# Allegro board LAY_90818_C.brd (continued)
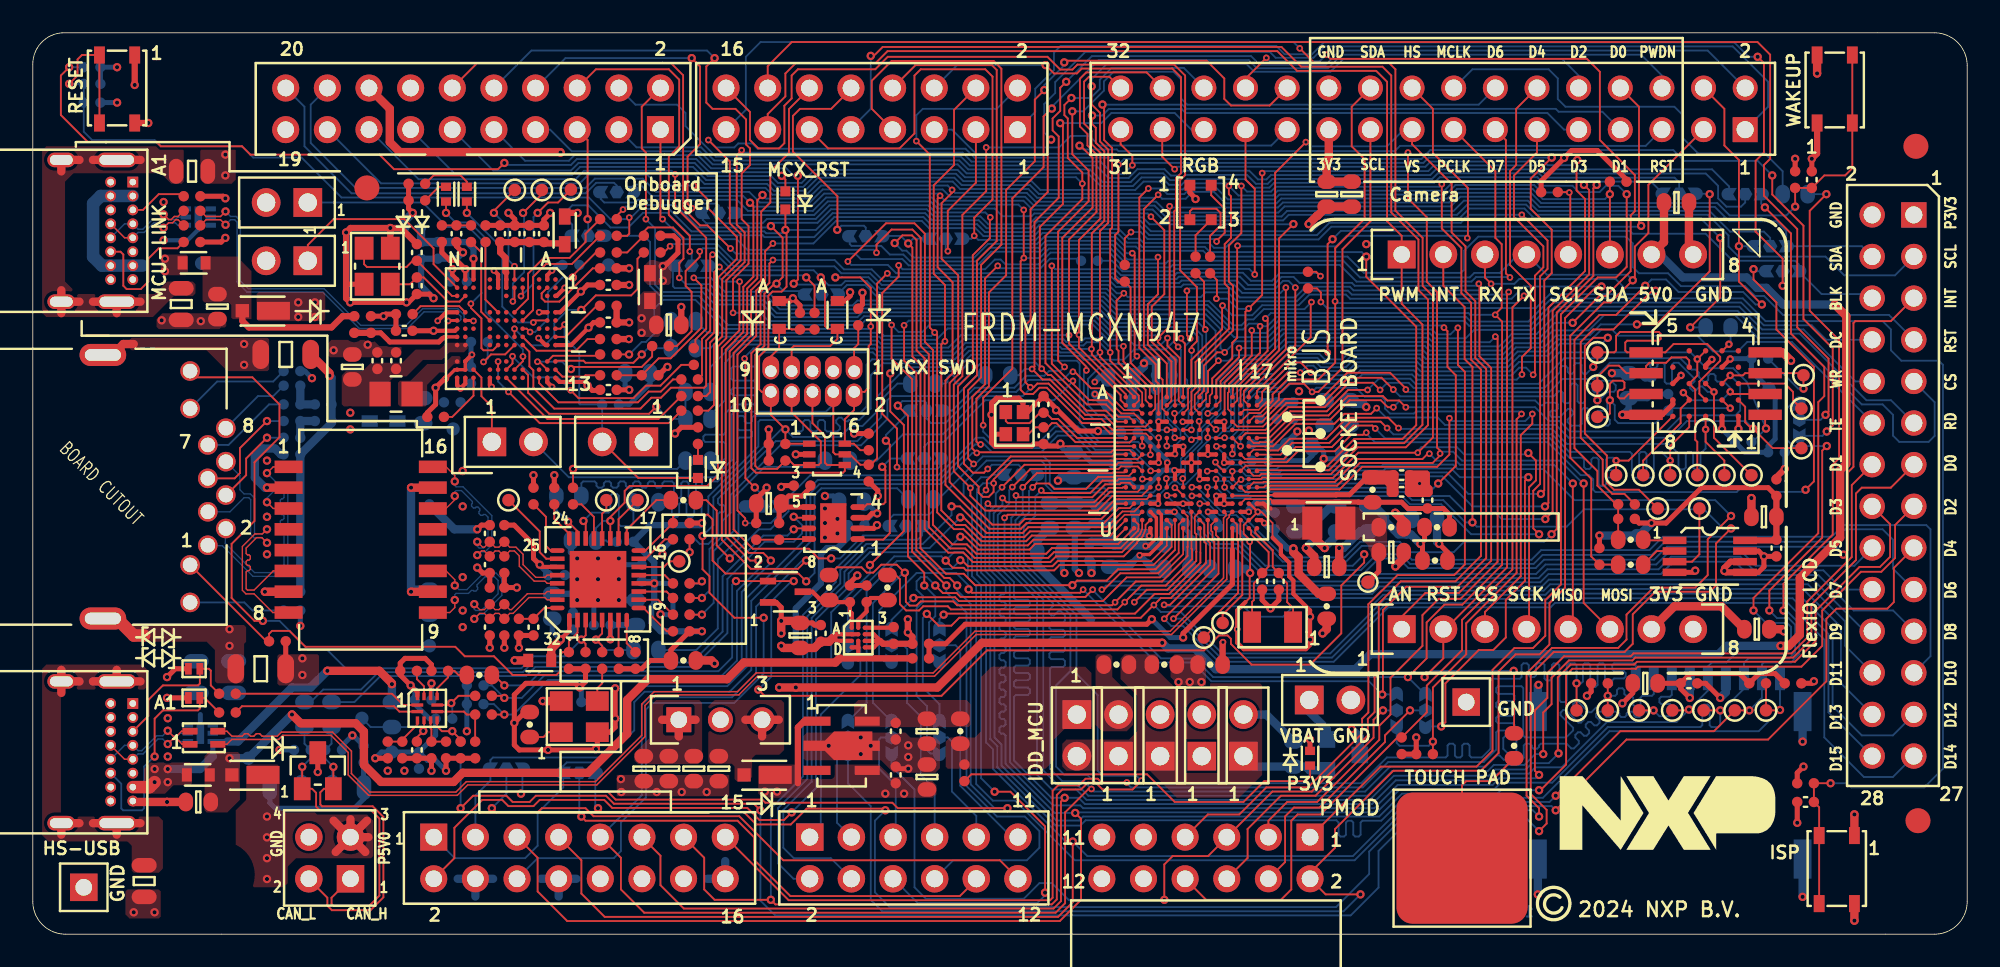
[diagram p0: board, top side]
## Routing (per net, layer and track width the routed paths; a pad name or vN(x,y) marks a point on that pad's centre or on a via; arc(x,y) is an arc through that point) (continued)
P5V0: length 138.7
  TOP w0.254: U3.B2 U3.B1 49.03,18.3 48.83,18.1 49.03,17.9 U3.C1
  TOP w0.381: U2.1 47.05,13 46.67,12.62 46.67,9.21
  TOP w0.508: 18.48,5.02 J10.3 ; J10.3 19.35,5.92 18.35,6.93 ; J10.3 20.28,5.02 ; J10.3 19.38,7.01 ; J10.3 20.38,6.93 ; J10.3 20.47,5.92 ; v2(106.62,17.59) 107.12,17.59 107.79,18.26 107.79,21.73 110.25,24.19 110.25,28.32 110.62,28.7 110.62,37.72 v2(109.92,38.42) ; v2(45.66,17.59) 45.78,17.47 C37.1 47.69,17.47 C38.1 48.58,17.85 48.83,18.1 ; v2(45.53,15.05) v2(46.54,15.05) 55.18,15.05 57.9,17.78 v2(68.9,17.78) ; J5.7 99.5,42.23 C71.1
  POWER w0.508: 19.38,4.83 J10.3 ; J10.3 19.38,7.01 ; J10.3 18.29,5.92 ; J10.3 20.47,5.92 ; J3.10 34.62,4.46 ; J3.10 35.7,3.38 ; J3.10 33.54,3.38 ; J3.10 34.62,2.3
  BOTTOM w0.381: 46.54,17.72 46.54,19.88 48.08,21.41 48.08,23.19 48.45,23.56 49.08,23.56 49.72,24.2 R199.1
  BOTTOM w0.508: v2(106.62,17.59) 103.34,17.59 102.83,17.09 81.6,17.09 80.68,16.17 72.16,16.17 70.89,17.44 69.24,17.44 v2(68.9,17.78) ; v2(109.92,38.42) 106.77,38.42 105.75,39.44 105.18,39.44 104.54,40.07 100.65,40.07 99.25,41.47 J5.7
  vias: v2(14.29,7.18) v2(14.29,5.91) v2(14.29,4.64) v2(14.29,3.37) v2(16.19,38.55) v2(16.19,37.66) v2(17.21,38.55) v2(17.21,37.66) v2(44.66,8.7) v2(45.4,8.7) v2(52.01,8.58) v2(53.15,8.58)
P5V0_MCU_LINK_USB: length 9.1
  BOTTOM w0.762: 6.68,40.79 J17.A9 J17.B4 4.22,40.79 3.68,41.33 3.68,44.58 4.14,45.04 J17.B9 J17.A4
  vias: v2(8.06,41.22) v2(8.06,40.45)
P5V_HDR_IN: length 3
  TOP w0.508: J15.3 45.5,13.09 ; J15.3 43.47,13.09 ; J15.3 44.49,12.07
P5V_MCU_LINK_USB: length 7.9
  TOP w0.381: R106.1 18.91,37.71 18.22,37.02 13.18,37.02 12.78,37.42 D3.A
P5V_USB_HS: length 51.4
  TOP w0.254: U3.C2 U3.D2 ; U3.D2 U3.D1 ; U3.D2 50.35,16.83
  TOP w0.381: 53.66,16.83 49.21,16.83
  TOP w0.508: v2(15.81,13.4) 16.34,12.87 19.69,12.87 20.2,12.36 20.2,10.34 21.24,9.29 25.67,9.29 26.22,9.85 33.87,9.85 36.26,12.23 36.26,14.29 37.53,15.56 42.35,15.56 43.37,16.58 48.96,16.58 49.21,16.83
  BOTTOM w0.508: v2(12,10.74) TP34.1 v2(15.81,13.4)
VDD_ANA: length 72.1
  TOP w0.203: U1.R4 68.54,25.4 68.54,24.17 68.06,23.68 v1(67.88,23.68)
  TOP w0.508: v2(32.19,47.69) 32.17,47.72 22.39,47.72 21.78,48.33 21.78,50.36 J2.16
  POWER w0.508: v2(32.19,47.69) 34.86,45.03 34.86,39.56 35.9,38.52 37.68,38.52 38.92,37.28 49.59,37.28 51.37,35.5 53.28,35.5 54.29,34.48 57.09,34.48 67.88,23.69 v1(67.88,23.68)
  BOTTOM w0.508: C20.1 69.02,24.83 C69.1 68.86,23.68 v1(67.88,23.68) 67.85,23.72 65.95,23.72 R171.1 64.58,23.94 L1.2
VDD_BAT: length 7.1
  TOP w0.254: v1(75.12,25.09) 74.94,25.27 U1.T17
  TOP w0.508: v2(76.9,23.54) 76.9,23.31 77.21,22.99 77.21,22 78.45,20.77 R15.2
  BOTTOM w0.381: v1(75.12,25.09) 75.5,24.71 C31.1 75.75,24.32 76.54,23.54 v2(76.9,23.54)
VDD_CORE: length 10.1
  TOP w0.254: U1.K10 v1(71.17,27.77) 71.18,27.77 U1.L11
  TOP w0.508: v2(83.11,25.71) 83.63,25.19 R18.2
  BOTTOM w0.305: TP33.1 79.55,29.01 v2(78.75,29.01) 78.75,29.43 78.44,29.74 C21.1 78.04,29.2 77.74,28.9 C22.1 C23.1
  BOTTOM w0.508: R19.2 83.48,25.34 v2(83.11,25.71)
VDD_CORE_SYS: length 10.2
  TOP w0.305: R20.1 84.77,23.69 v2(84.64,23.82) 84.9,24.07 R22.1
  BOTTOM w0.508: R14.1 81.85,26.1 82.49,25.47 82.49,25.21 83.3,24.4 83.79,24.4 83.79,24.39 84.07,24.39 v2(84.64,23.82) ; R16.2 75.25,13.4 J28.2
VDD_DCDC: length 7.1
  TOP w0.254: U1.R15 v1(74.17,25.77)
  TOP w0.508: v2(79.69,23.56) C28.1
  BOTTOM w0.381: R194.1 76.77,26.36 74.61,26.36 74.17,25.92 v1(74.17,25.77)
  BOTTOM w0.508: v2(79.69,23.56) 79.94,23.56 80.96,24.58 R14.2
VDD_IO_USB: length 9.4
  BOTTOM w0.508: 64.56,19.22 61.28,22.5 R10.1 61.28,24.02 R8.1 ; R11.1 65.29,32.45 v1(64.79,32.95) ; v2(81.34,32.16) 81.15,32.36 80.55,32.36 R9.1
  vias: v2(69.89,15.39) v2(70.58,15.39) v2(71.29,15.39)
VDD_LDO_CORE_IN: length 6
  TOP w0.254: v1(69.21,28.77) 69.21,28.7 69.17,28.67 U1.K6
  TOP w0.305: R20.2 86.3,23.31 v2(85.79,23.82)
  BOTTOM w0.305: C30.1 67.48,30.62 69.21,28.9 v1(69.21,28.77)
  BOTTOM w0.508: v2(85.79,23.82) 85.66,23.94 R19.1
VDD_LDO_SYS_IN: length 14
  TOP w0.102: U1.P15 73.95,26.55 75.5,26.55
  TOP w0.112: 75.68,26.37 75.5,26.55
  TOP w0.305: 75.68,26.37 80.86,26.37 80.87,26.36 R23.1 83.5,26.36 83.88,25.98 C32.1 86.04,25.98 86.42,25.59 R22.2
VDD_P2: length 10.3
  TOP w0.254: U1.L7 69.67,28.28 v1(69.64,28.31) 69.68,28.31 69.72,28.27 U1.K8
  BOTTOM w0.305: C11.1 67.21,27.28 67.92,27.28 68.94,28.31 v1(69.64,28.31) ; R10.2 62.8,22.17 v2(62.93,22.04)
  BOTTOM w0.508: v2(62.53,27.67) 62.74,27.88 C10.1 63.56,27.83 65.77,27.83 C12.1 C11.1
VDD_P3: length 1.5
  TOP w0.254: U1.H10 v1(71.68,29.27) ; v1(71.68,29.27) U1.H12 ; v1(71.68,29.27) 71.67,29.28 U1.G11
  vias: v2(77.84,30.73)
VDD_P4: length 7.8
  TOP w0.254: U1.N5 68.67,26.3 v1(68.64,26.27) U1.P4
  BOTTOM w0.305: v1(68.64,26.27) 68.56,26.36 66.1,26.36 C18.1
  BOTTOM w0.508: C18.1 C19.1 64.63,26.31 C17.1 R8.2
VDD_SYS: length 9
  TOP w0.102: U1.N14 73.19,26.75 75.39,26.75 75.44,26.8
  TOP w0.112: 75.75,26.8 75.44,26.8
  TOP w0.305: 75.75,26.8 79.5,26.8 79.52,26.82 80.32,26.82 81.38,27.88 R23.2
ADC0_A0/ARD_A0: length 43.5
  TOP w0.102: 66.19,25.52 66.47,25.79 67.2,25.79 U1.P3
  TOP w0.112: 66.19,25.52 65.51,24.83 60.73,24.83 60.38,24.49 58.18,24.49 56.56,26.1 v2(56.04,26.1)
  BOTTOM w0.112: v2(56.04,26.1) 56.04,25.57 54.29,23.82 50.85,23.82 49.26,22.22 49.26,21.4 47.25,19.39 47.25,9.48 45.46,7.7 45.46,4.32 46.4,3.38 J4.2
ADC0_B0/ARD_A1: length 44
  TOP w0.102: U1.R3 67.5,25.59 66.61,25.59 66.2,25.19
  TOP w0.112: 66.2,25.19 65.59,24.58 60.83,24.58 60.49,24.23 57.98,24.23 56.78,25.43 v2(56.58,25.43)
  BOTTOM w0.112: J4.4 48.68,4.64 46.42,4.64 45.78,5.27 45.78,7.58 47.51,9.31 47.51,19.29 49.51,21.3 49.51,22.12 50.96,23.56 54.71,23.56 v2(56.58,25.43)
ADC1_B0/MC_BEMF_A: length 56.2
  TOP w0.102: U1.T3 67.67,24.74 67.54,24.4 66.44,23.31
  TOP w0.112: v1(51.47,41.58) 51.47,42.07 52.39,42.99 53.66,42.99 54.16,42.49 54.16,35.88 54.66,35.39 54.66,24.85 55.97,23.54 56.87,23.54 57.45,22.96 61.94,22.96 62.29,23.31 66.44,23.31 ; v1(38.42,43.63) 38.29,43.76 J2.1
  BOTTOM w0.112: v1(51.47,41.58) 51.29,41.76 43.59,41.76 42.94,42.4 39.64,42.4 v1(38.42,43.63)
ANA_4/ADC1_A0: length 103
  TOP w0.102: 66.36,23.56 67.4,24.61 67.45,24.72 67.45,25 U1.T2
  TOP w0.112: v1(49.72,41.05) 52.05,43.37 53.78,43.37 54.42,42.74 54.42,36.14 54.91,35.64 54.91,24.97 56.1,23.79 56.98,23.79 57.55,23.22 61.82,23.22 62.16,23.56 66.36,23.56 ; J6.1 83.5,19.37 84.95,20.82 86.99,20.82 88.96,22.79 88.96,34.55 88.25,35.26 88.25,39.65 v1(88.21,39.68)
  BOTTOM w0.112: v1(88.21,39.68) 88.09,39.56 80.64,39.56 80.46,39.74 77.27,39.74 76.91,40.1 76.17,40.1 75.68,39.61 74.14,39.61 73.63,40.12 69.91,40.12 69.76,39.97 66.27,39.97 65.91,40.33 52.66,40.33 52.16,40.83 49.93,40.83 v1(49.72,41.05)
ANA_6/ADC0_A3: length 61.1
  TOP w0.102: 66.39,23.99 U1.U2
  TOP w0.112: J3.2 25.72,4.64 25.72,6.49 27.42,8.2 28.64,8.2 29.02,7.81 30.54,7.81 30.92,8.2 34.86,8.2 35.35,7.71 43.59,7.71 44.32,6.97 45.83,6.97 v2(46.29,7.43) ; 66.39,23.99 66.22,23.82 61.15,23.82 60.8,23.47 57.66,23.47 56.88,24.25 v2(56.58,24.25)
  BOTTOM w0.112: v2(46.29,7.43) 47.77,8.92 47.77,19.2 49.76,21.19 49.76,22.01 51.06,23.31 55.64,23.31 v2(56.58,24.25)
CAN_H: length 21.3
  TOP w0.112: J10.1 18.22,2.23 18.22,1.85 18.35,1.72 20.51,1.72 21.14,2.35 21.14,7.05 20.64,7.56 17.51,7.56 17.28,7.79 17.28,8.63 17.04,8.87 D9.1 v2(16.43,10.22)
  BOTTOM w0.112: R100.2 16.57,11.62 C66.1 16.95,10.74 v2(16.43,10.22) 16.39,10.18 R98.1
CAN_L: length 22.1
  TOP w0.112: J10.2 16.84,3.36 17.97,2.23 17.97,1.74 18.24,1.46 20.6,1.46 21.39,2.25 21.39,7.15 20.74,7.8 17.65,7.8 17.54,7.92 17.54,8.65 17.76,8.87 D9.2 v2(18.33,10.21)
  BOTTOM w0.112: R102.2 18.27,10.15 v2(18.33,10.21) 17.84,10.71 17.84,11.24 18.22,11.62 R101.2
CANH: length 37.1
  TOP w0.112: v2(46.42,24.71) 46.47,24.76 U10.7
  BOTTOM w0.112: R100.1 16.95,14.16 17.72,14.93 20.02,14.93 21.08,15.99 29.9,15.99 30.49,16.58 40.19,16.58 42.08,18.46 42.08,21.84 44.57,24.32 46.04,24.32 v2(46.42,24.71)
CANL: length 37.1
  TOP w0.112: v2(46.42,25.47) 46.47,25.41 U10.6
  BOTTOM w0.112: v2(46.42,25.47) 46.93,24.96 46.93,24.45 46.42,23.94 44.64,23.94 42.37,21.68 42.37,18.37 40.31,16.31 30.66,16.31 30.09,15.75 21.2,15.75 19.62,14.16 R101.1
DBGIF_VREF: length 6.1
  TOP w0.254: U11.L1 v2(26.88,41.22)
  BOTTOM w0.381: 25.84,42.23 26.48,42.23 26.88,41.83 v2(26.88,41.22)
  BOTTOM w0.508: R204.2 C106.1 R205.1 25.84,42.23
DCDC_LX: length 4.1
  TOP w0.254: U1.P17 75.08,26.27 75.37,25.98 75.5,25.98
  TOP w0.508: v2(78.8,23.56) 78.05,24.32 L2.1
  BOTTOM w0.508: v2(78.8,23.56) 78.8,23.61 79.56,24.37 R17.1
DCDC_VDD_CORE: length 2.1
  TOP w0.305: C27.1 82.1,22.14 TP32.1
ENET_CON_NC4: length 5.6
  TOP w0.112: J16.4 11.8,26.79 13.02,28.01 13.02,29.02 v2(14.29,30.29)
  BOTTOM w0.112: R73.1 v2(14.29,30.29)
ENET_CON_NC5: length 7
  TOP w0.112: v2(14.29,31.31) 12.64,29.66 12.64,28.13 12.31,27.81 J16.5
  BOTTOM w0.112: R78.1 v2(14.29,31.31)
ENET_CON_NC7: length 5.7
  BOTTOM w0.112: R77.1 14.41,32.33 11.94,29.85 J16.7
ENET_CON_NC8: length 4.6
  BOTTOM w0.112: R76.1 14.67,32.83 13.74,32.83 J16.8
ENET_CON_RXN: length 14.2
  TOP w0.08: T1.8 14.64,19.63 13.5,20.77 13,20.77 12.78,20.98 12.78,23.66 13.56,24.43 14.01,24.43 v2(14.29,24.71)
  BOTTOM w0.08: J16.6 12.64,27.97 12.64,27.12 12.89,26.86 13.27,26.86 13.52,26.61 13.52,24.49 13.6,24.41 13.99,24.41 v2(14.29,24.71)
ENET_CON_RXP: length 14.2
  TOP w0.08: v2(14.29,23.88) 13.97,24.2 13.65,24.2 13.02,23.56 13.02,23.23 13.1,23.15 13.19,23.15 13.27,23.07 13.27,22.91 13.19,22.83 13.1,22.83 13.02,22.75 13.02,22.59 13.1,22.51 13.19,22.51 13.27,22.43 13.27,22.27 13.19,22.19 13.1,22.19 13.02,22.11 13.02,21.08 13.1,21 13.5,21 14.67,22.17 T1.6
  BOTTOM w0.08: J16.3 12.03,25.77 12.89,26.63 13.17,26.63 13.29,26.52 13.29,24.39 13.51,24.18 13.99,24.18 v2(14.29,23.88)
ENET_CON_TXN: length 13.8
  TOP w0.08: T1.3 14.67,25.98 v2(14.29,26.36)
  BOTTOM w0.08: J16.2 11.74,23.86 11.82,23.77 13.53,22.06 14.87,22.06 15.32,22.52 15.32,24.89 15.24,24.97 15.18,24.97 15.1,25.05 15.1,25.21 15.18,25.29 15.24,25.29 15.32,25.37 15.32,25.53 15.24,25.61 15.18,25.61 15.1,25.69 15.1,25.85 15.18,25.93 15.24,25.93 15.32,26.01 15.32,26.17 15.24,26.25 15.18,26.25 15.1,26.33 15.1,26.49 15.18,26.57 15.24,26.57 15.32,26.65 15.32,27.05 15.24,27.13 14.81,27.13 14.29,26.61 v2(14.29,26.36)
ENET_CON_TXP: length 13.8
  TOP w0.08: T1.1 14.67,28.52 v2(14.29,28.13)
  BOTTOM w0.08: J16.1 11.57,23.7 11.65,23.61 13.43,21.83 14.97,21.83 15.56,22.42 15.56,27.15 15.33,27.37 15.05,27.37 v2(14.29,28.13)
ENET_CT1: length 5.7
  TOP w0.508: T1.2 v2(14.29,27.25)
  BOTTOM w0.508: v2(14.29,27.25) 14.16,27.25 13.55,27.86 13.55,29.13 14.06,29.63 14.78,29.63 15.13,29.28 R72.1
ENET_CT2: length 2.6
  TOP w0.508: T1.7 v2(14.16,20.9)
  BOTTOM w0.508: R74.1 v2(14.16,20.9)
ENET_CT3&4: length 11.3
  TOP w0.508: T1.10 v2(23.07,20.9) ; T1.15 v2(23.07,27.25)
  BOTTOM w0.508: R153.2 23.2,21.02 v2(23.07,20.9) v2(23.07,27.25) C99.1
ENET_LED1/REGOFF: length 45.3
  TOP w0.112: v2(14.03,19.12) 13.52,19.12 12.13,20.51 12.13,23.82 13.52,25.21 13.52,28.8 15.05,30.32 15.05,32.33 13.4,33.98 9.98,33.98 J16.9 ; U9.3 33.73,18.24 v2(33.46,17.97) 33.72,17.72 R95.2
  BOTTOM w0.112: v2(33.46,17.97) 32.45,16.96 30.53,16.96 29.8,16.23 19.08,16.23 17.97,17.34 16.83,17.34 15.05,19.12 v2(14.03,19.12)
ENET_LED2/INTSEL_B: length 30
  TOP w0.112: U9.2 33.23,18.39 32.7,17.87 R96.2 32.32,17.21 32.19,17.09 32.19,16.07 31.94,15.82 29.27,15.82 28.13,16.96 26.35,16.96 25.77,17.54 16.63,17.54 15.66,18.51 14.59,18.51 14.41,18.33 R207.1 14.26,17.87 J16.11
ENET_MDC: length 4
  TOP w0.112: U9.17 36.23,24.68 38.04,26.48 R191.2
ENET_PHYAD0: length 1.6
  TOP w0.112: v2(40.82,21.53) 40.69,21.4 R70.1
  BOTTOM w0.112: R70.1 40.69,21.4 v2(40.82,21.53)
ENET_PHYAD1: length 2
  TOP w0.112: U9.7 35.73,17.23 R93.2
ENET_PHYAD2: length 2.2
  TOP w0.112: U9.8 36.23,17.75 R92.2
ENET_RMIISEL: length 2.7
  TOP w0.112: R94.2 38.67,18.48 37.25,19.91 U9.9
ENET_RXN: length 14.9
  TOP w0.08: T1.9 25.44,19.63 25.74,19.93 v2(25.74,20.39) ; v2(26.93,20.14) 27.26,19.81 27.55,19.81 C57.1 28.2,19.81 28.44,19.81 R65.2 29.09,19.81 29.2,19.81 30.17,20.77 31.24,20.77 31.38,20.91 U9.30
  BOTTOM w0.08: v2(26.93,20.14) 26.93,19.83 27.01,19.75 27.37,19.75 28.38,20.77 28.38,21.59 28.16,21.81 27.59,21.81 27.1,21.31 27.1,21.2 27.14,21.16 27.14,21.05 27.02,20.93 26.91,20.93 26.87,20.98 26.76,20.98 26.58,20.79 25.82,20.79 25.74,20.71 v2(25.74,20.39)
ENET_RXP: length 14.9
  TOP w0.08: U9.31 31.38,20.41 31.24,20.54 30.26,20.54 29.3,19.57 29.09,19.57 R64.2 28.44,19.57 28.2,19.57 C56.1 27.55,19.57 27.26,19.57 v2(26.93,19.24) ; T1.11 25.21,22.17 25.74,21.63 v2(25.74,21.28)
  BOTTOM w0.08: v2(25.74,21.28) 25.99,21.03 26.48,21.03 27.49,22.04 28.26,22.04 28.61,21.68 28.61,20.67 27.46,19.52 27.21,19.52 v2(26.93,19.24)
ENET_TXN: length 14.8
  TOP w0.08: v2(25.74,26.74) 25.74,26.51 25.21,25.98 T1.14 ; U9.28 31.38,21.91 31.24,21.77 30.68,21.77 29.91,22.55 29.91,23.18 29.47,23.62 29.09,23.62 R63.2 28.44,23.62 28.2,23.62 C55.1 27.55,23.62 27.44,23.62 v2(27.11,23.94)
  BOTTOM w0.08: v2(27.11,23.94) 27.11,23.68 27.23,23.56 27.49,23.56 27.77,23.84 27.77,25.45 27.61,25.61 27.49,25.61 27.44,25.56 27.33,25.56 27.22,25.67 27.22,25.78 27.27,25.83 27.27,25.95 27.15,26.06 27.04,26.06 26.99,26.01 26.88,26.01 26.76,26.12 26.76,26.24 26.82,26.29 26.82,26.4 26.15,27.07 25.82,27.07 25.74,26.99 v2(25.74,26.74)
ENET_TXP: length 14.8
  TOP w0.08: v2(25.74,27.63) 25.74,27.98 25.21,28.52 T1.16 ; U9.29 31.38,21.41 31.24,21.54 30.58,21.54 29.68,22.45 29.68,23.09 29.38,23.38 29.09,23.38 R62.2 28.44,23.38 28.2,23.38 C54.1 27.54,23.39 27.37,23.39 v2(27.11,23.13)
  BOTTOM w0.08: v2(25.74,27.63) 25.74,27.38 25.82,27.3 26.24,27.3 28,25.54 28,23.74 27.59,23.33 27.31,23.33 v2(27.11,23.13)
EPHY_VDDA: length 13.4
  TOP w0.254: v2(32.19,17.97) 32.73,18.51 U9.1 ; v2(30.92,22.55) 31.06,22.41 U9.27
  TOP w0.305: R64.1 v2(28.76,17.48) ; R63.1 29.36,24.96 30.54,23.78 30.54,22.93 v2(30.92,22.55) ; R62.1 R65.1 v2(29.53,21.15)
  TOP w0.508: L5.2 31.62,17.41 v2(32.19,17.97)
  BOTTOM w0.305: C51.1 32.8,18.58 v2(32.19,17.97) 31.69,18.48 C50.1
  BOTTOM w0.381: v2(30.92,22.55) 31.43,22.04 C52.1
EPHY_VDDCR_1V2: length 3.6
  TOP w0.254: v2(35.23,18) U9.6
  BOTTOM w0.305: C48.1 35.23,18.85 v2(35.23,18)
  BOTTOM w0.381: C49.1 C48.1
EPHY_VDDIO: length 23.5
  TOP w0.254: v2(37.91,21.41) U9.12
  TOP w0.305: R155.1 v2(40.83,25.09) ; R93.1 R92.1 37.15,16.2 37.65,16.7 R190.1 38.92,17.34 R94.1 v2(40.82,18.48)
  BOTTOM w0.305: C53.1 37.78,21.53 v2(37.91,21.41) 38.54,21.41 38.55,21.4 R91.1
  BOTTOM w0.381: v2(40.83,25.09) 40.7,24.96 37.65,24.96 R86.1 36.65,23.94 37.91,22.68 v2(37.91,21.41) 37.91,20.13 37.72,19.94 37.72,19.05 38.29,18.48 v2(40.82,18.48)
EXTAL: length 7.7
  TOP w0.102: 65.85,30.02 65.95,30.02 65.98,30 66.19,30 66.19,30 66.9,30 U1.F2
  TOP w0.112: 65.85,30.02 63.6,30.02 62.44,31.18 62.17,31.18 61.91,30.93 C2.1 61.15,30.93 60.73,30.51 Y1.3
EXTAL32K: length 7
  TOP w0.112: Y2.2 74.38,20.28 74.48,20.39 74.48,21.4 74.99,21.91 C100.1 75.38,22.43 75.38,23.32 74.32,24.39 74.32,24.63 U1.U16
HS_USB_CC1: length 9.1
  TOP w0.112: R48.1 10.86,15.18 10.86,16.09 10.75,16.2 D8.2 10.19,15.29 10.08,15.18 7.94,15.18 7.05,14.29 7.05,13.32 J11.A5
HS_USB_CC2: length 14.9
  TOP w0.112: R47.1 10.48,14.42 D7.2 10.19,13.77 10.08,13.66 7.94,13.66 7.43,13.15 v2(7.43,10.84)
  BOTTOM w0.112: v2(7.43,10.84) 7.41,10.84 6.79,10.23 6.79,7.69 6.67,7.56 5.51,7.56 5.4,7.67 5.4,9.18 J11.B5
HS_USB_DN: length 7.5
  TOP w0.089: v2(8.23,11.6) 8.52,11.89 8.82,11.89 9.12,11.59 L13.1 ; J11.A7 5.6,10.68 J11.B7
  BOTTOM w0.089: U4.1 8.97,11.76 8.82,11.91 8.54,11.91 v2(8.23,11.6) 7.93,11.91 7.64,11.91 6.73,11 6.43,11 J11.A7
HS_USB_DP: length 7.5
  TOP w0.089: v2(8.23,12.42) 8.56,12.09 8.78,12.09 9.08,12.39 L13.4
  BOTTOM w0.089: U4.2 8.97,12.26 8.82,12.11 8.54,12.11 v2(8.23,12.42) 7.92,12.11 7.55,12.11 6.65,11.2 6.43,11.2 J11.A6 5.6,11.53 J11.B6
HS_USB_ID: length 88.9
  TOP w0.102: U1.P11 v1(71.18,26.27)
  TOP w0.112: v2(46.42,21.55) Q1.2 v2(42.89,21.55) ; v2(81.22,23.18) 81.22,22.67 79.82,21.28 79.82,18.36 77.91,16.45 74.35,16.45 73.09,17.71 73.09,18.03 72.88,18.23 72.36,18.23 71.45,17.32 58.2,17.32 55.43,14.55 44.64,14.55 v2(44.26,14.93) ; R44.2 28.13,15.82 v2(28.76,15.18)
  BOTTOM w0.102: 71.72,25.19 71.18,25.72 v1(71.18,26.27)
  BOTTOM w0.112: v2(46.42,21.55) 46.29,21.55 45.05,20.3 45.05,15.71 v2(44.26,14.93) ; v2(28.76,15.18) 30.14,15.18 31,16.05 41.82,16.05 42.66,16.89 42.66,21.31 v2(42.89,21.55) ; v2(81.22,23.18) 80.52,22.48 75.18,22.48 73.59,24.08 72.19,24.08 71.72,24.55 71.72,25.19
LPC_DBGIF_DETECT: length 30
  TOP w0.112: v1(41.88,40.71) 41.56,40.39 41.56,36.7 41.08,36.22 41.08,33.46 40.96,33.34 38.92,33.34 38.31,32.73 37.73,32.73 37.07,32.07 31.81,32.07 30.53,33.35 30.53,34.41 30.29,34.65 30.29,35.54 U11.E9 ; v2(47.18,40.07) 47.69,39.56 R134.1
  BOTTOM w0.112: v2(47.18,40.07) 47.05,40.2 44.44,40.2 44.43,40.21 42.39,40.21 v1(41.88,40.71)
LPC_DBGIF_ISP0_CTRL: length 10.1
  TOP w0.112: U11.C13 30.88,33.63 32.06,32.45 36.91,32.45 37.57,33.11 38.31,33.11 39.05,33.85 R133.1
LPC_DBGIF_RESET: length 8
  TOP w0.112: R132.1 32.89,40.9 31.31,40.9 30.52,40.1 30.52,38.08 U11.E6
LPC_DBGIF_TCK_SWCLK: length 4.9
  TOP w0.112: J22.1 28,32.19 27.37,32.83 27.37,33.96 U11.L12
LPC_DBGIF_TDI: length 8.8
  TOP w0.112: R131.1 33.72,42.74 33.72,42.23 32.75,41.26 31.17,41.26 30.21,40.31 30.21,38.78 U11.F5
LPC_DBGIF_TDO_SWO: length 12.7
  TOP w0.112: R130.1 36.88,41.21 36.88,39.36 36.5,38.98 34.34,38.98 v2(33.45,38.09) ; v1(29.38,36.94) U11.F8
  BOTTOM w0.112: v1(29.38,36.94) 30.39,35.93 31.22,35.93 31.81,36.52 31.81,37.28 32.62,38.09 v2(33.45,38.09)
LPC_DBGIF_TMS_SWDIO: length 3.4
  TOP w0.112: U11.B11 31.73,35.29 34.53,35.29 R129.1
LPC_HW_VER_0: length 5.4
  TOP w0.112: R118.1 33.84,36.31 33.13,35.6 30.73,35.6 U11.E8
LPC_HW_VER_1: length 3.5
  TOP w0.112: R119.1 34.4,38.34 32.5,36.45 U11.A8
LPC_HW_VER_2: length 3.7
  TOP w0.112: v1(27.49,34.92) 27.95,35.37 28.81,35.37 U11.F9
  BOTTOM w0.112: R121.1 27.75,35.12 27.54,34.92 v1(27.49,34.92)
LPC_HW_VER_3: length 5.3
  TOP w0.112: R120.1 34.16,40.63 32.13,38.6 31.25,38.6 31.04,38.8 31.04,39.09 31.04,39.09 31.04,39.11 U11.B2
LPC_HW_VER_4: length 3.6
  TOP w0.112: U11.M5 26.01,38.32 23.65,38.32 R122.1
LPC_HW_VER_5: length 4.6
  TOP w0.112: R123.1 27.61,42.22 27.61,38.72 U11.H5
LPC_HW_VER_6: length 19.9
  TOP w0.112: U11.H9 28.07,35.63 27.49,35.63 27.37,35.75 27.37,37.57 26.72,38.22 v1(26.72,38.47)
  BOTTOM w0.112: v1(26.72,38.47) 27.37,39.11 27.37,42.36 26.58,43.15 25.28,43.15 23.79,44.64 J18.1
LPC_HW_VER_7: length 13
  TOP w0.112: J19.1 16.78,42.05 18.35,43.63 22.67,43.63 24.45,41.85 24.45,40.88 U11.N2
LPC_HW_VER_8: length 3.4
  TOP w0.112: U11.L13 26.88,32.86 25.59,31.56 R117.1
LPC_LED_USB_COMM: length 12.9
  TOP w0.112: v1(29.9,35.25) 29.9,34.96 U11.F12 ; D10.C v2(25.21,44.01)
  BOTTOM w0.102: 28.63,36.95 29.9,35.68 29.9,35.25 v1(29.9,35.25)
  BOTTOM w0.112: v2(25.21,44.01) 25.79,43.43 26.66,43.43 27.62,42.47 27.62,37.95 28.63,36.95
LPC_LED_VCOM_ACT: length 10.5
  TOP w0.112: U11.B6 30.65,37.45 v1(30.53,37.33) ; v2(26.48,44.01) D12.C
  BOTTOM w0.112: v1(30.53,37.33) 29.61,37.33 28.64,38.29 28.64,41.85 v2(26.48,44.01)
LPC_MCU_LINK_I2C0_SCL: length 2.9
  TOP w0.112: U11.A12 32.31,34.02 33.64,34.02 33.72,34.1 R143.1
LPC_MCU_LINK_I2C0_SDA: length 7.9
  TOP w0.112: R142.1 34.35,41.6 32.95,40.19 v2(32.95,40.07) ; v1(30.33,36.74) 30.13,36.95 U11.E7
  BOTTOM w0.112: v2(32.95,40.07) 32.32,40.07 31.43,39.18 31.43,37.53 30.64,36.74 30.34,36.74 v1(30.33,36.74)
LPC_MCU_LINK_RX: length 13.8
  TOP w0.112: U11.E12 30.21,34.12 30.21,33.04 31.5,31.75 37.59,31.75 v2(38.04,32.2)
  BOTTOM w0.112: v2(38.04,32.2) 38.8,31.44 R172.1 R178.1
LPC_MCU_LINK_SPI1_MISO: length 12.3
  TOP w0.112: U11.G13 31.39,31.44 38.16,31.44 R139.1
LPC_MCU_LINK_SPI1_MOSI: length 14.3
  TOP w0.112: R138.1 38.8,31.18 30.92,31.18 v1(29.02,33.09) ; U11.H12 28.38,34.91 28.38,34.92 v1(28.38,34.94)
  BOTTOM w0.112: v1(29.02,33.09) 28.38,33.72 v1(28.38,34.94)
LPC_MCU_LINK_SPI1_SCLK: length 13.9
  TOP w0.112: U11.G12 29.26,34.83 29.26,35.26 v1(29.26,35.26) ; R137.1 39.56,34.74 38.29,33.47 37.4,33.47 36.64,32.71 33.29,32.71 v1(32.81,33.19)
  BOTTOM w0.112: v1(32.81,33.19) 32.02,33.98 30.53,33.98 29.26,35.25 v1(29.26,35.26)
LPC_MCU_LINK_SPI1_SSEL: length 8.9
  TOP w0.112: v1(30.78,34.93) 30.9,34.93 U11.B12 ; R136.1 37.78,35.25 37.15,34.61 32.96,34.61 v2(32.83,34.48)
  BOTTOM w0.112: v2(32.83,34.48) 32.74,34.48 32.29,34.93 v1(30.78,34.93)
LPC_MCU_LINK_TX: length 9.1
  TOP w0.112: v2(37.15,35.37) 36.64,34.87 33.72,34.87 33.59,34.99 31.93,34.99 U11.A11
  BOTTOM w0.112: R179.1 R173.1 37.53,35.75 v2(37.15,35.37)
LPC_PIO0_5-ISP_EN-LED_SWD_ACT: length 16.3
  TOP w0.112: D11.C 36.93,27.84 J21.2 ; v1(32.44,37.2) 32.19,36.95 U11.A7
  BOTTOM w0.112: J21.2 R124.2 33.38,32.33 33.34,32.37 33.34,35.5 32.44,36.4 v1(32.44,37.2)
LPC_PIO0_10-SWO: length 8.5
  TOP w0.112: v2(29.91,44.01) 31.05,45.15 TP28.1 ; v1(29.28,38.61) 29.38,38.71 U11.F2
  BOTTOM w0.112: v1(29.28,38.61) 29.28,39.7 29.97,40.39 29.97,43.95 v2(29.91,44.01)
LPC_PIO0_11-SWDCLK: length 6.5
  TOP w0.112: TP29.1 28.13,44.14 v2(28.13,44.01) ; v1(29.38,40.76) U11.F1
  BOTTOM w0.112: v1(29.38,40.76) 29.02,41.12 29.02,43.12 v2(28.13,44.01)
LPC_PIO0_12-SWDIO: length 8.7
  TOP w0.112: TP30.1 32.04,44.64 31.43,44.64 v2(30.8,44.01) ; U11.E2 29.88,39.04 v1(29.78,38.94)
  BOTTOM w0.112: v1(29.78,38.94) 30.54,39.7 30.54,43.76 v2(30.8,44.01)
LPC_USB1_DM: length 23.3
  TOP w0.089: R110.2 10.57,43.59 11.45,43.59 v2(11.76,43.29)
  TOP w0.178: v1(25.34,37.42) 25.35,37.42 25.38,37.45 U11.N6
  BOTTOM w0.089: v1(25.34,37.42) 26.02,37.42 26.11,37.51 26.11,37.7 25.84,37.97 23.87,37.97 22.85,36.95 19.92,36.95 17.78,39.1 17.69,39.18 13.07,39.18 12.46,39.79 12.46,43.45 12.31,43.59 12.07,43.59 v2(11.76,43.29)
LPC_USB1_DP: length 23.3
  TOP w0.089: R111.2 10.57,43.79 11.45,43.79 v2(11.76,44.1)
  TOP w0.178: U11.M6 26.83,37.45 26.86,37.42 v1(26.88,37.42)
  BOTTOM w0.089: v2(11.76,44.1) 12.07,43.79 12.4,43.79 12.66,43.53 12.66,39.87 13.15,39.38 17.77,39.38 20,37.15 22.77,37.15 23.78,38.17 25.92,38.17 26.31,37.78 26.31,37.51 26.4,37.42 v1(26.88,37.42)
MCU_LINK_3V3: length 17.2
  TOP w0.254: U11.A13 32.13,33.7 33.62,33.7 v2(33.84,33.47) ; U11.M1 v2(26.38,40.58) ; v2(33.44,39.21) 32.17,37.95 U11.A5 ; U11.N7 25.76,36.82 v2(24.45,36.82) ; v1(32.45,39.44) 31.96,38.95 U11.A3 ; v2(33.9,37.01) 32.84,35.95 U11.A9
  TOP w0.305: R116.1 24.95,41.6 25.44,41.11 25.85,41.11 v2(26.38,40.58) ; C80.1 34.22,37.33 v2(33.9,37.01) ; v2(33.84,33.47) 34.14,33.18 34.57,33.18 C77.1 ; v2(33.44,39.21) 33.84,39.61 C76.1 ; C79.1 24.27,36.82 24.27,36.82 v2(24.45,36.82)
  BOTTOM w0.305: v2(26.38,40.58) 26.48,40.49 C81.1
  vias: v2(37.14,37.58) v2(37.14,36.69)
MCU_LINK_RST: length 5.3
  TOP w0.112: R189.1 27.35,41.61 27.35,37.98 U11.J6
MCU_LINK_USB_CC1: length 3.6
  TOP w0.112: R112.1 9.08,45.15 7.68,45.15 6.72,44.19 J17.A5
MCU_LINK_USB_CC2: length 8.5
  TOP w0.112: J17.B5 5.35,41.64 5.52,41.47 5.52,39.56 5.73,39.36 6.59,39.36 7.05,39.82 7.05,41.22 7.68,41.85 8.83,41.85 R113.1
MCU_LINK_USB_DN: length 7.2
  TOP w0.089: R110.1 8.86,43.59 8.71,43.59 8.53,43.41 8.29,43.41 v2(7.98,43.1) ; J17.B7 5.6,42.49 J17.A7
  BOTTOM w0.089: J17.A7 6.43,42.82 6.8,42.82 7.38,43.41 7.67,43.41 v2(7.98,43.1) 8.29,43.41 8.7,43.41 8.85,43.26 U12.1
MCU_LINK_USB_DP: length 7.2
  TOP w0.089: v2(7.98,43.91) 8.29,43.61 8.44,43.61 8.63,43.79 8.86,43.79 R111.1
  BOTTOM w0.089: J17.B6 5.6,43.34 J17.A6 6.43,43.02 6.71,43.02 7.3,43.61 7.67,43.61 v2(7.98,43.91) 8.29,43.61 8.7,43.61 8.85,43.76 U12.2
MCU_LINK_VBAT: length 1.5
  TOP w0.254: U11.M13 26.38,33.59 v1(26.09,33.3) 25.88,33.5 U11.N13
MCU_LINK_VDDA: length 6.9
  TOP w0.254: 28.88,40.38 U11.G1 U11.G2
  TOP w0.381: 28.88,40.38 28.84,40.42 28.84,41.27 28.51,41.6 C88.1 C87.1 C86.1 C89.1 31.26,42.15 32.42,42.15 32.45,42.12 L10.2
MCU_LINK_XTAL_N: length 5.5
  TOP w0.112: Y4.3 23.01,39.66 C96.1 23.84,40.07 25.33,38.6 26.04,38.6 U11.M3
MCU_LINK_XTAL_P: length 7.8
  TOP w0.112: Y4.1 20.21,40.88 20.38,40.71 22.8,40.71 23.18,41.09 C97.1 25.57,38.95 U11.N3
MCX_USB1_DM: length 74.9
  TOP w0.089: L13.2 11.84,11.59 12.13,11.88 15,11.88 15.25,12.13 18.2,12.13 19.24,11.09 19.24,9.72 20.48,8.48 25.89,8.48 26.53,9.11 34.4,9.11 37.34,12.05 37.34,13.96 37.99,14.6 43.07,14.6 44.21,15.74 55.01,15.74 57.55,18.28 69.46,18.28 72.83,21.66 72.83,25.3 72.98,25.45 72.98,25.58 U1.R14
MCX_USB1_DP: length 74.8
  TOP w0.089: L13.3 11.84,12.39 12.14,12.08 12.77,12.08 12.92,12.23 13.13,12.23 13.28,12.08 13.48,12.08 13.64,12.23 13.84,12.23 13.99,12.08 14.92,12.08 15.16,12.33 18.28,12.33 19.44,11.17 19.44,9.8 20.57,8.67 25.81,8.67 26.45,9.31 34.32,9.31 37.15,12.13 37.15,14.04 37.91,14.8 42.99,14.8 44.13,15.94 54.93,15.94 57.47,18.48 69.38,18.48 72.63,21.74 72.63,25.39 72.78,25.53 72.78,25.66 U1.R13
MCX_USB1_VBUS: length 25.4
  TOP w0.203: 73.17,23.47 U1.U14
  TOP w0.305: 73.17,23.47 73.17,21.36 70.17,18.36 v2(70.17,18.1) ; R27.2 R29.1 55.69,17.72 56.88,18.91 67.96,18.91 v2(68.26,19.22)
  BOTTOM w0.305: v2(68.26,19.22) 69.38,18.1 v2(70.17,18.1)
OPAMP0_INN/RSHUNT_CURA_N: length 29.6
  TOP w0.102: 65.25,22.76 68.22,22.76 69.17,23.71 U1.U6
  TOP w0.112: 65.25,22.76 65.24,22.78 62.52,22.78 62.2,22.45 57.04,22.45 56.67,22.82 v2(56.58,22.82)
  BOTTOM w0.112: v2(56.58,22.82) 56.05,22.29 55.18,22.29 54.7,22.77 52.71,22.77 50.86,20.92 50.86,14.13 SJ24.1
OPAMP1_INN/RSHUNT_CURB_N: length 21.8
  TOP w0.102: 66.72,21.77 68.76,21.77 70.17,23.19 U1.U8
  TOP w0.112: v2(53.72,20.51) 53.77,20.56 56.26,20.56 56.49,20.32 65.28,20.32 66.72,21.77
  BOTTOM w0.112: SJ22.1 52.39,19.18 v2(53.72,20.51)
OPAMP2_INN/RSHUNT_CURC_N: length 20.1
  TOP w0.102: U1.U10 71.22,24.72 71.22,23.28
  TOP w0.112: v2(55.56,19.5) 55.62,19.56 67.23,19.56 68.43,20.76 69.31,20.76 71.22,22.67 71.22,23.28
  BOTTOM w0.112: v2(55.56,19.5) 55.31,19.24 SJ20.1
P0_0/TMS/SWD_DIO: length 71.2
  TOP w0.102: U1.A17 74.67,33.15 75.26,33.73
  TOP w0.112: v1(78,38.57) 77.95,38.52 77.95,36.43 75.26,33.73 ; R144.2 50.48,29.53 50.08,29.93 D16.6 49.53,31.42 50.1,31.98 J23.2 50.74,33.09 50.99,33.34 50.99,35.88 51.12,36.01 v1(51.12,37.08) 51.12,39.44 50.48,40.07 v2(48.96,40.07) ; R129.2 v2(36.37,35.37)
  BOTTOM w0.112: v1(51.12,37.08) 50.97,36.93 42.19,36.93 40.42,38.71 38.45,38.71 37.91,38.17 37.91,36.64 37.4,36.14 37.15,36.14 36.38,35.37 v2(36.37,35.37) ; v2(48.96,40.07) 49.34,40.07 49.35,40.09 50.98,40.09 51.69,39.38 65.52,39.38 66.26,38.63 71.75,38.63 73.23,37.15 73.73,37.15 74.09,37.51 74.46,37.51 75.09,38.14 77.57,38.14 v1(78,38.57)
P0_1/TCLK/SWD_CLK: length 75.4
  TOP w0.102: 74.23,33.13 74.17,33.08 U1.A16
  TOP w0.112: v1(52.13,40.32) 51.5,39.7 51.5,29.03 51.12,28.64 R147.1 50.48,28.64 49.85,29.28 D16.5 48.96,29.28 48.83,29.4 J23.4 ; 74.23,33.13 77.02,35.92 v1(77.02,39.45)
  BOTTOM w0.112: J22.2 32.7,27.88 41.59,27.88 42.63,28.92 42.63,31.72 42.8,31.88 48.39,31.88 48.83,32.33 J23.4 ; v1(77.02,39.45) 77.02,39.45 76.61,39.86 76.26,39.86 75.77,39.37 73.96,39.37 73.45,39.88 70.07,39.88 69.92,39.73 66.17,39.73 65.81,40.09 52.36,40.09 v1(52.13,40.32)
